# Altium PCB AmbiqAndromeda.PcbDoc
Units mil, origin at the board's own origin, x right, y up, seen from the top; angles counter-clockwise.
Board outline 1968.5 x 1968.5 mil, 4 copper layers (Layer 1, Layer 2, Layer 3, Layer 4), stack 69.134 mil thick; 61 components, 111 nets, 323 pads, 1 vias.
Unrouted connection lines stored in the file: 378.
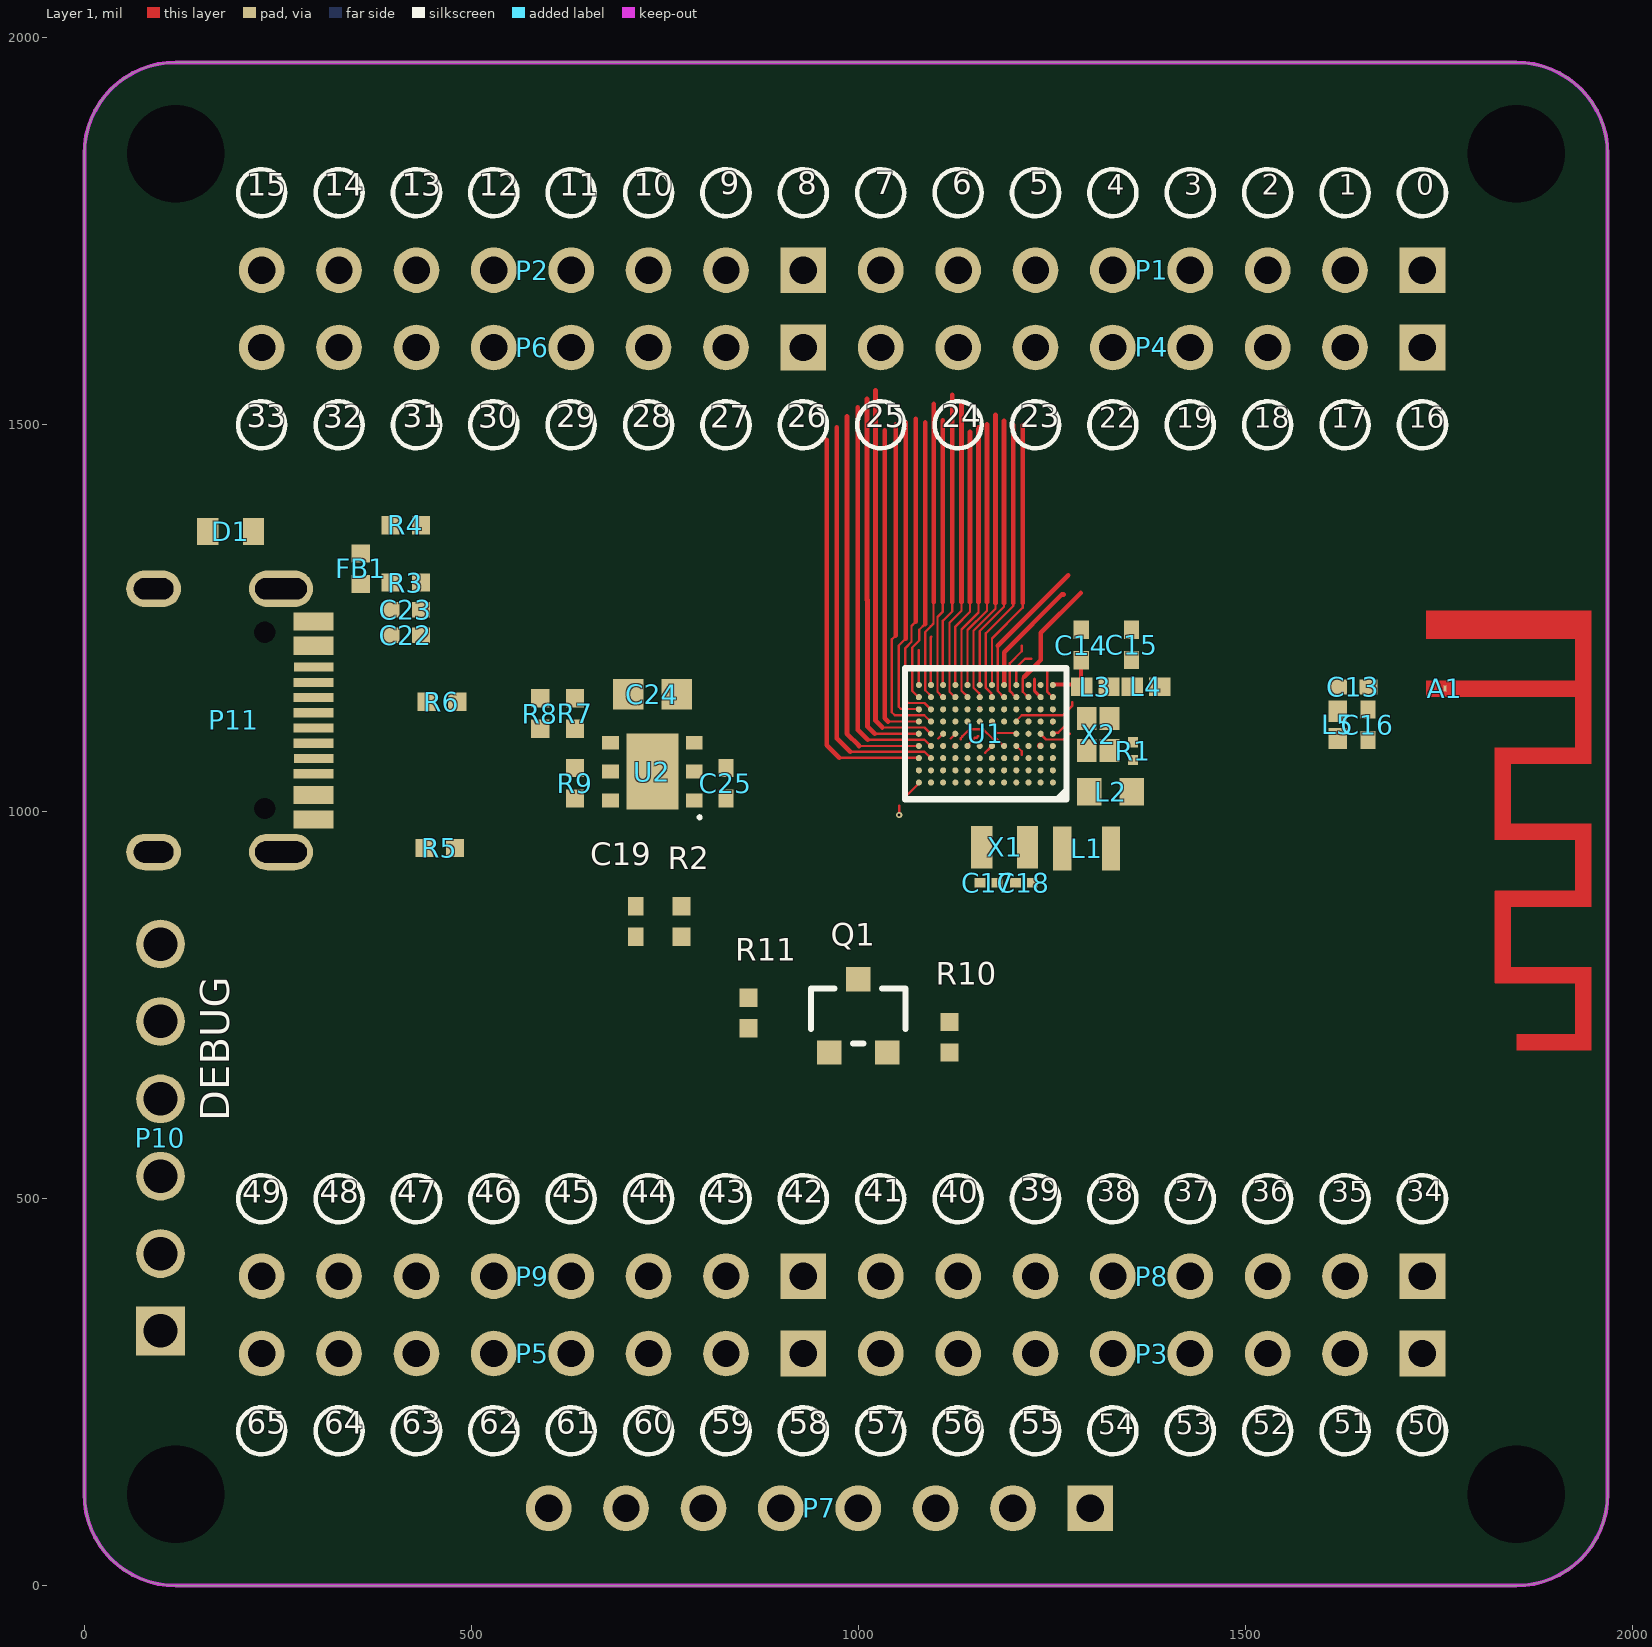
[diagram p0: Layer 1 view]
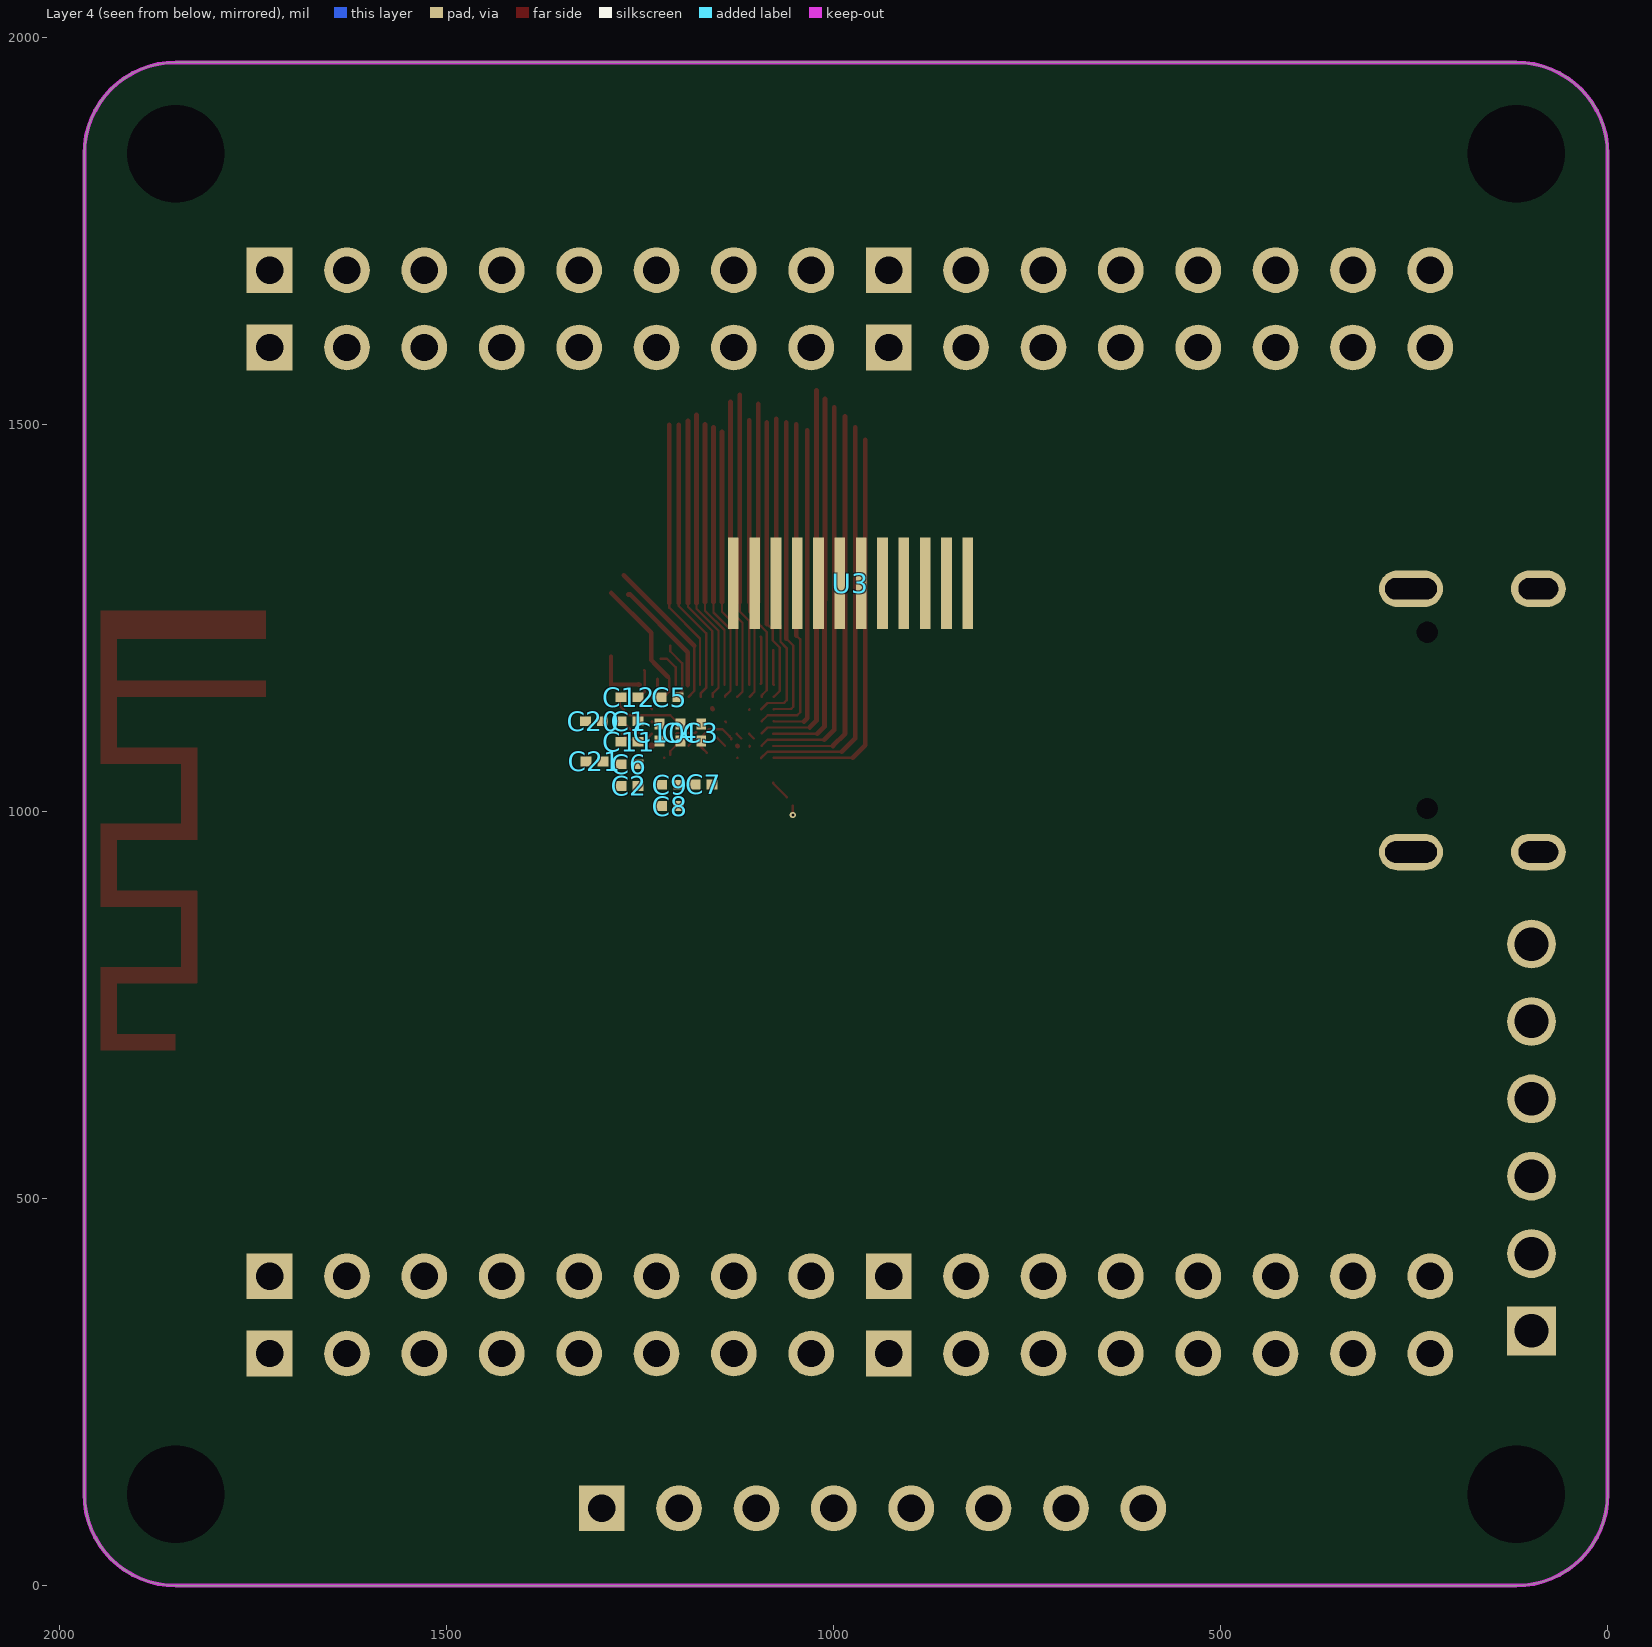
[diagram p1: Layer 4 view, seen from below]
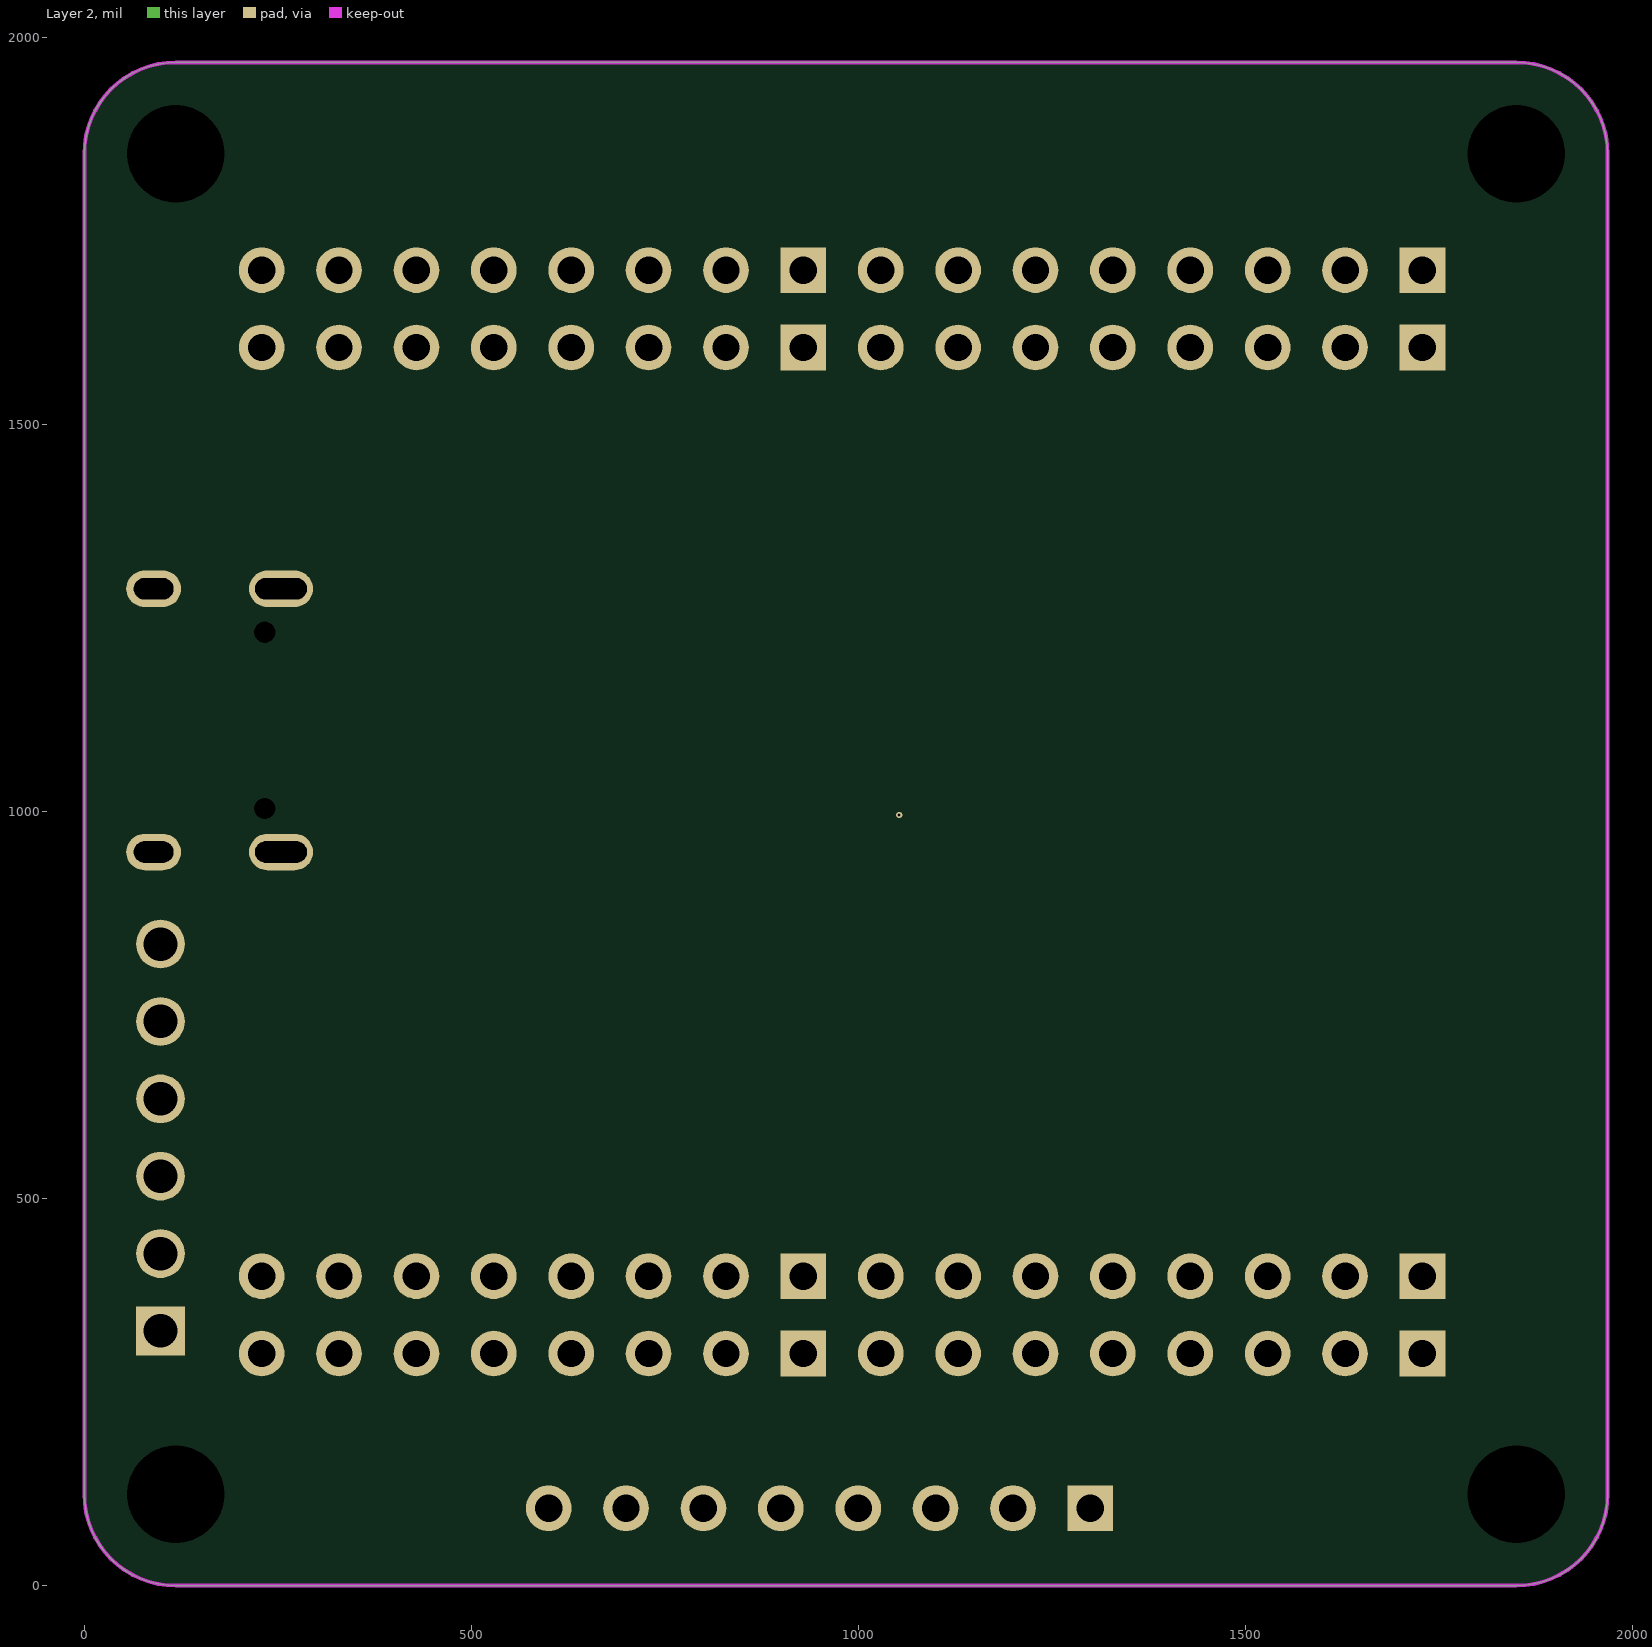
[diagram p2: Layer 2]
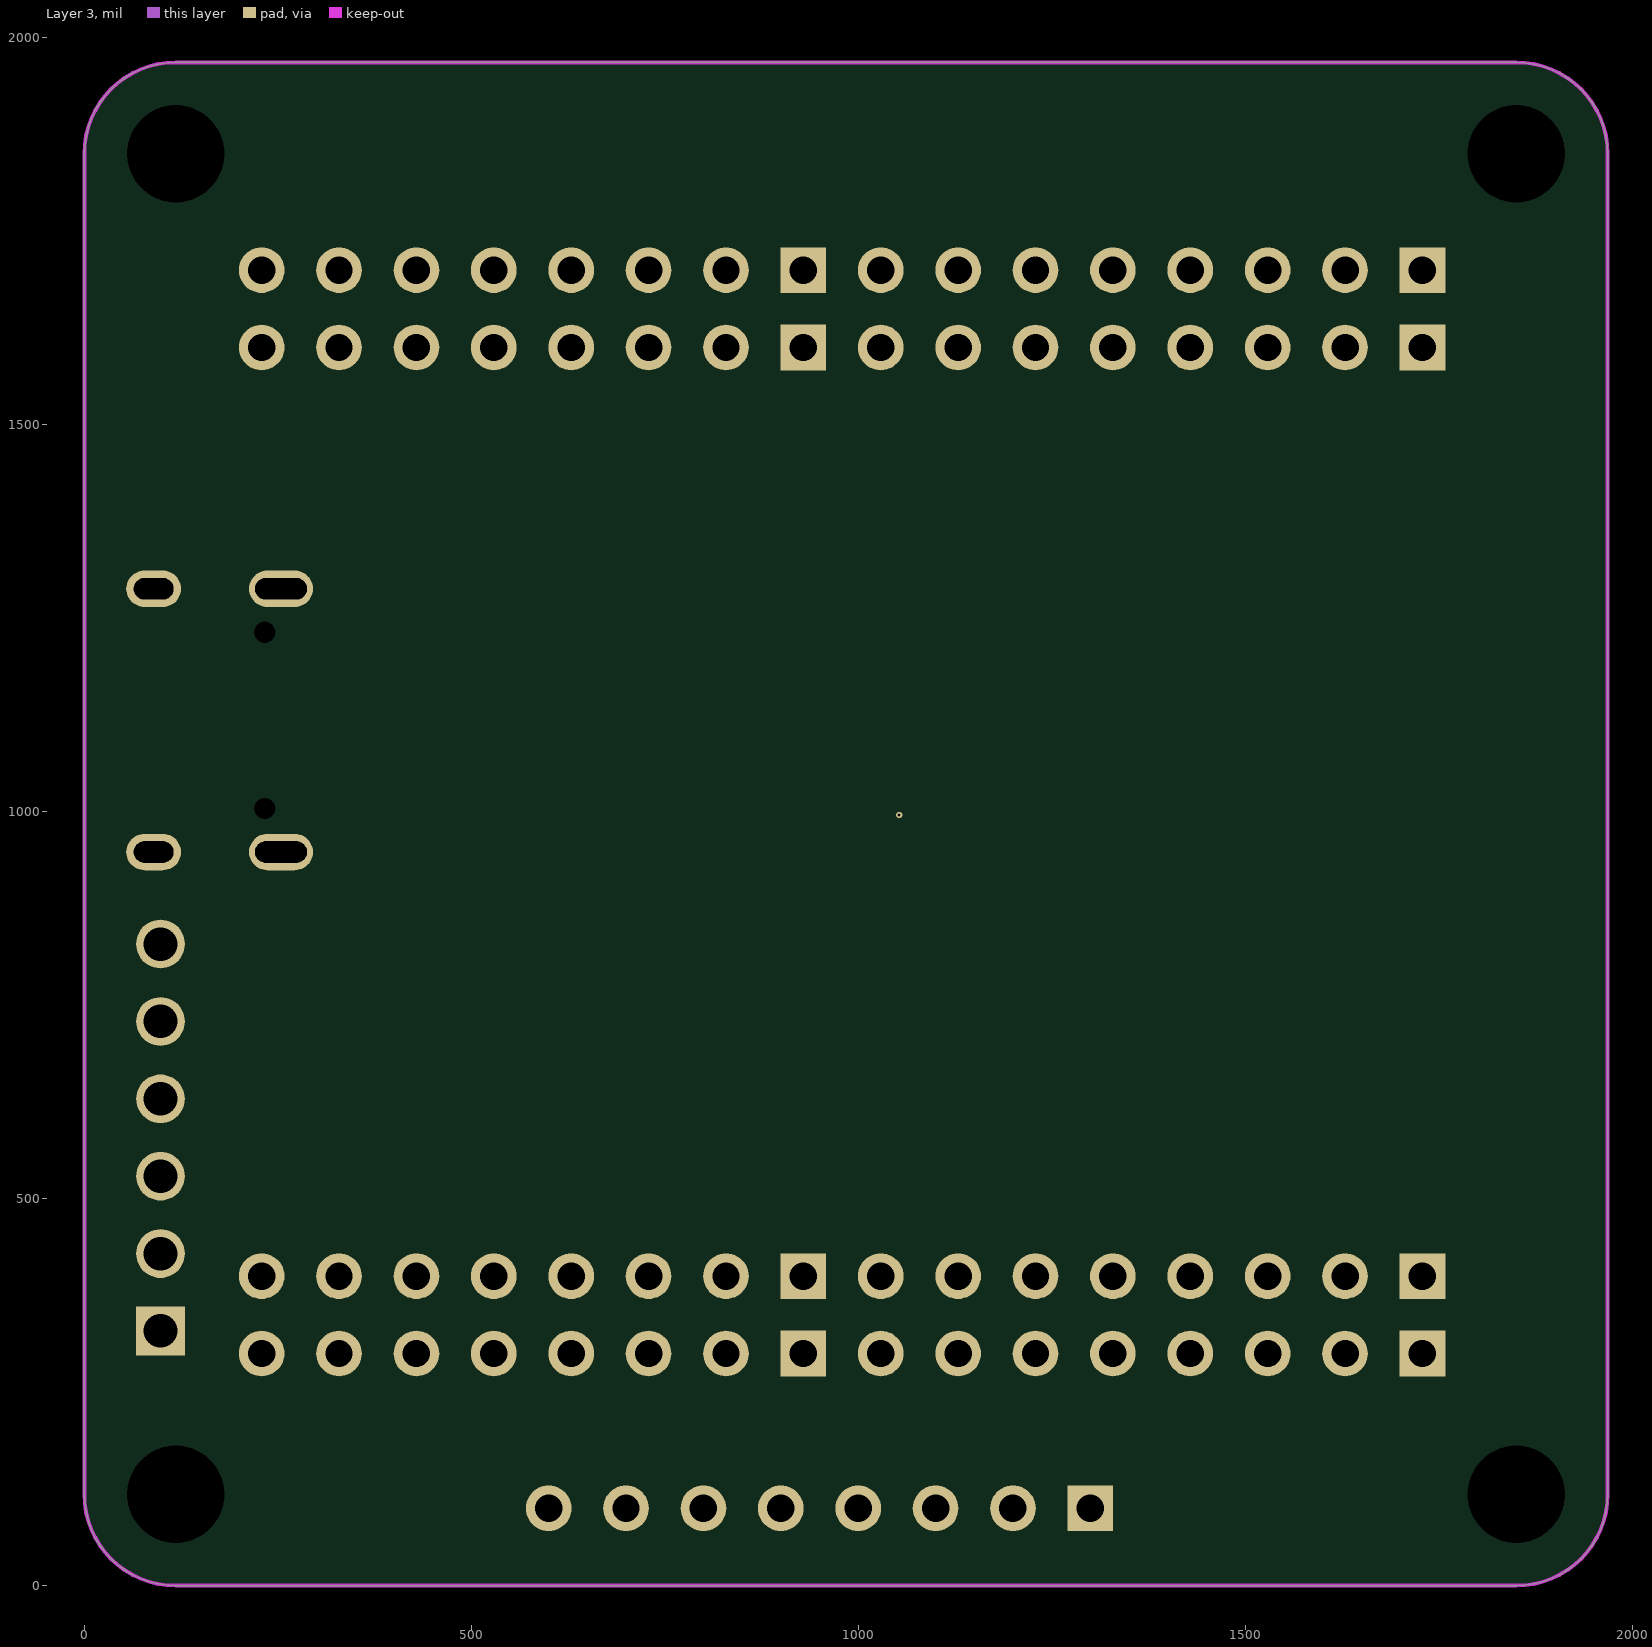
[diagram p3: Layer 3]

## Layer stack, top to bottom
Top Solder: solder mask 0.7, Solder Resist, Dk 3.8
Layer 1: signal copper 1.378
Dielectric 1: prepreg 2.9528, FR4, Dk 4.2
Layer 2: signal copper 0.7087
Dielectric 3: core 59.0551, FR4, Dk 4.2
Layer 3: signal copper 0.7087
Dielectric 2: prepreg 2.9528, FR4, Dk 4.2
Layer 4: signal copper 1.378
Bottom Solder: solder mask 0.7, Solder Resist, Dk 3.8

## Board outline
0,118.11 0,1850.39 cw(c118.11,1850.39) 118.11,1968.5 1850.39,1968.5 cw(c1850.39,1850.39) 1968.5,1850.39 1968.5,118.11 cw(c1850.39,118.11) 1850.39,0 118.11,0 cw(c118.11,118.11)

## Design rules (kind name [scope] priority, off if disabled: settings)
Clearance Clearance_1 [IsMicroVia] p1: gap=4 ignorepadtopadclearanceinfootprint=TRUE except(10: Arc-Text Track-Text SMDPad-Text THPad-Text Via-Text Fill-Text Poly-Text Region-Text Text-Text)
Clearance "TLINE GND Clearance" [InDifferentialPair('AT_USB') or InDifferentialPair('DFSD') or InNetClass('TLIN50') or InDifferentialPair('FTDI_USB')or InDifferentialPair('USB') vs InPolygon] p2: gap=40 ignorepadtopadclearanceinfootprint=TRUE except(4: Arc-Arc Arc-Track Arc-SMDPad Arc-Via Arc-Hole Track-Track Track-SMDPad Track-Via Track-Hole SMDPad-SMDPad SMDPad-Via SMDPad-Hole THPad-Via THPad-Hole Via-Via Via-Hole Fill-Hole Poly-Hole Region-Hole Text-Hole; 6: Arc-THPad Track-THPad SMDPad-THPad; 10: Arc-Text Track-Text SMDPad-Text THPad-THPad THPad-Text Via-Text Fill-Text Poly-Text Region-Text Text-Text)
Clearance "Polygon Clearance" [InPolygon] p3: gap=10 ignorepadtopadclearanceinfootprint=TRUE except(4: Arc-Arc Arc-Track Arc-SMDPad Arc-Via Arc-Hole Track-Track Track-SMDPad Track-Via Track-Hole SMDPad-SMDPad SMDPad-Via SMDPad-Hole THPad-Hole Via-Via Via-Hole Fill-Hole Poly-Hole Region-Hole Text-Hole; 6: Arc-THPad Track-THPad SMDPad-THPad)
Clearance 3 [OnLayer('Keep-Out Layer') vs NOT InComponent('A1')] p4: gap=4 ignorepadtopadclearanceinfootprint=TRUE except(6: Arc-THPad Track-THPad SMDPad-THPad Via-Fill Via-Poly Via-Region Fill-Fill Fill-Poly Fill-Region Poly-Poly Poly-Region Region-Region; 10: Arc-Text Track-Text SMDPad-Text THPad-THPad THPad-Via THPad-Fill THPad-Poly THPad-Region THPad-Text Via-Text Fill-Text Poly-Text Region-Text Text-Text; 20: Arc-Fill Arc-Poly Arc-Region Track-Fill Track-Poly Track-Region)
Clearance [All] p5: gap=4 ignorepadtopadclearanceinfootprint=TRUE except(0: THPad-Hole Via-Hole Fill-Hole Poly-Hole Region-Hole Text-Hole; 2: Arc-Arc Arc-Track Arc-SMDPad Track-Track Track-SMDPad; 6: Arc-Hole Track-Hole SMDPad-Hole; 10: Arc-Text Track-Text SMDPad-Text THPad-Text Via-Text Fill-Text Poly-Text Region-Text Text-Text)
ComponentClearance ComponentClearance_1 [InComponent('P2') OR InComponent('P10') OR InComponent('P6') OR InComponent('P12')  OR InComponent('P14') vs InComponent('P11') OR InComponent('P13')  OR InComponent('P17') oR InComponent('P3')  OR InComponent('P7')] p1: gap=0 collisioncheckmode=3 verticalgap=10 showdistances=FALSE
ComponentClearance [All] p2: gap=10 collisioncheckmode=3 verticalgap=10 showdistances=FALSE
DiffPairsRouting USB_AT [InDifferentialPair('AT_USB') or InDifferentialPair('DFSD') or InDifferentialPair('FTDI_USB') or InDifferentialPair('USB')] p1: maxlimit=5 minlimit=5 mostfreqgap=5 toplayer_minwidth=2.93 toplayer_maxwidth=5.15 toplayer_prefwidth=4.08 midlayer1_minwidth=2.44 midlayer1_maxwidth=3.27 midlayer1_prefwidth=3.4 midlayer2_minwidth=1.6 midlayer2_maxwidth=3.24 midlayer2_prefwidth=3.4 bottomlayer_minwidth=2.93 bottomlayer_maxwidth=5.26 bottomlayer_prefwidth=4.08 impedanceprofiledriven=TRUE impedanceprofileid={EFAE9810-7C72-4CE3-B640-AD99D6EDDCE3} impedanceprofilevalue=90.000000 maxuncoupledlength=100
HoleSize [All] p1: absolutevalues=TRUE maxlimit=1000 minlimit=1 maxpercent=80.000 minpercent=20.000
HoleToHoleClearance HoleToHoleClearance_1 [IsMicroVia vs IsMicroVia] p1: gap=6 allowstackedmicrovias=TRUE
HoleToHoleClearance [All] p2: gap=8 allowstackedmicrovias=TRUE
MinimumSolderMaskSliver [All] p1 off: minsoldermaskwidth=10
PlaneClearance [All] p1: clearance=8
PlaneConnect [All] p1: planeconnectstyle=Direct reliefexpansion=20 reliefentries=4 reliefconductorwidth=10 reliefairgap=10
PolygonConnect PolygonConnect_1 [IsVia] p1: connectstyle=Direct reliefconductorwidth=10 reliefentries=4 polygonreliefangle="90 Angle" airgapwidth=10
PolygonConnect [All] p2: connectstyle=Relief reliefconductorwidth=10 reliefentries=4 polygonreliefangle="90 Angle" airgapwidth=10
RoutingVias uVias [InDrillLayerPair('[UVIA] Layer 1 - Layer 2') OR InDrillLayerPair('[UVIA] Layer 2 - Layer 3') OR InDrillLayerPair('[UVIA] Layer 4 - Layer 5') OR InDrillLayerPair('[UVIA] Layer 5 - Layer 6')] p1: holewidth=4 width=8 viastyle="Through Hole" minholewidth=4 minwidth=8 maxholewidth=4 maxwidth=8
RoutingVias [InDrillLayerPair('Layer 1 - Layer 6') OR InDrillLayerPair('Layer 3 - Layer 4')] p2: holewidth=4 width=8 viastyle="Through Hole" minholewidth=4 minwidth=8 maxholewidth=4 maxwidth=8
ShortCircuit [InComponent('A1') vs InNet('GND')] p1: allowed=TRUE
SilkToSilkClearance [All] p1 off: silktosilkclearance=10
SilkToSolderMaskClearance [IsPad] p1 off: minsilkscreentomaskgap=10 clearancetoexposedcopper=TRUE
SolderMaskExpansion [All] p1: expansion=0 istentingtop=FALSE
Width RF_TLIN [InNetClass('TLIN50')] p1: maxlimit=6.38 minlimit=2.81 preferedwidth=4.48 toplayer_minwidth=4.33 toplayer_maxwidth=6.25 midlayer1_minwidth=3.37 midlayer1_maxwidth=3.71 midlayer1_prefwidth=3.81 midlayer2_maxwidth=3.69 midlayer2_prefwidth=3.81 bottomlayer_minwidth=4.33 impedanceprofiledriven=TRUE impedanceprofileid={4AD285A2-0FED-4AA8-8DF2-44B4B48F9EBB} impedanceprofilevalue=50.000000 minimp=50.000000 maximp=50.000000 favimp=50.000000
Width [All] p2: maxlimit=100 minlimit=3 preferedwidth=8 minimp=50.000000 maximp=50.000000 favimp=50.000000
20 further rules are at their usual default settings.

## Classes and differential pairs
component class "[07]User Interface": Q1 R10 R11 U3
net class TLIN50: NetA1_1 NetC13_1 NetC14_1 NetC15_1
component class "[04]Power Supplies": C22 C23 C24 C25 D1 FB1 P11 R3 R4 R5 R6 R7 R8 R9 U2
component class [01]MCU: A1 C1 C2 C3 C4 C5 C6 C7 C8 C9 C10 C11 C12 C13 C14 C15 C16 C17 C18 C19 C20 C21 L1 L2 L3 L4 L5 R1 R2 U1 X1 X2
component class "[08]Debug Headers and Support": P10
component class "[03]Breakout Headers": P1 P2 P3 P4 P5 P6 P7 P8 P9
